# KiCad board mackerel-08-v1.kicad_pcb
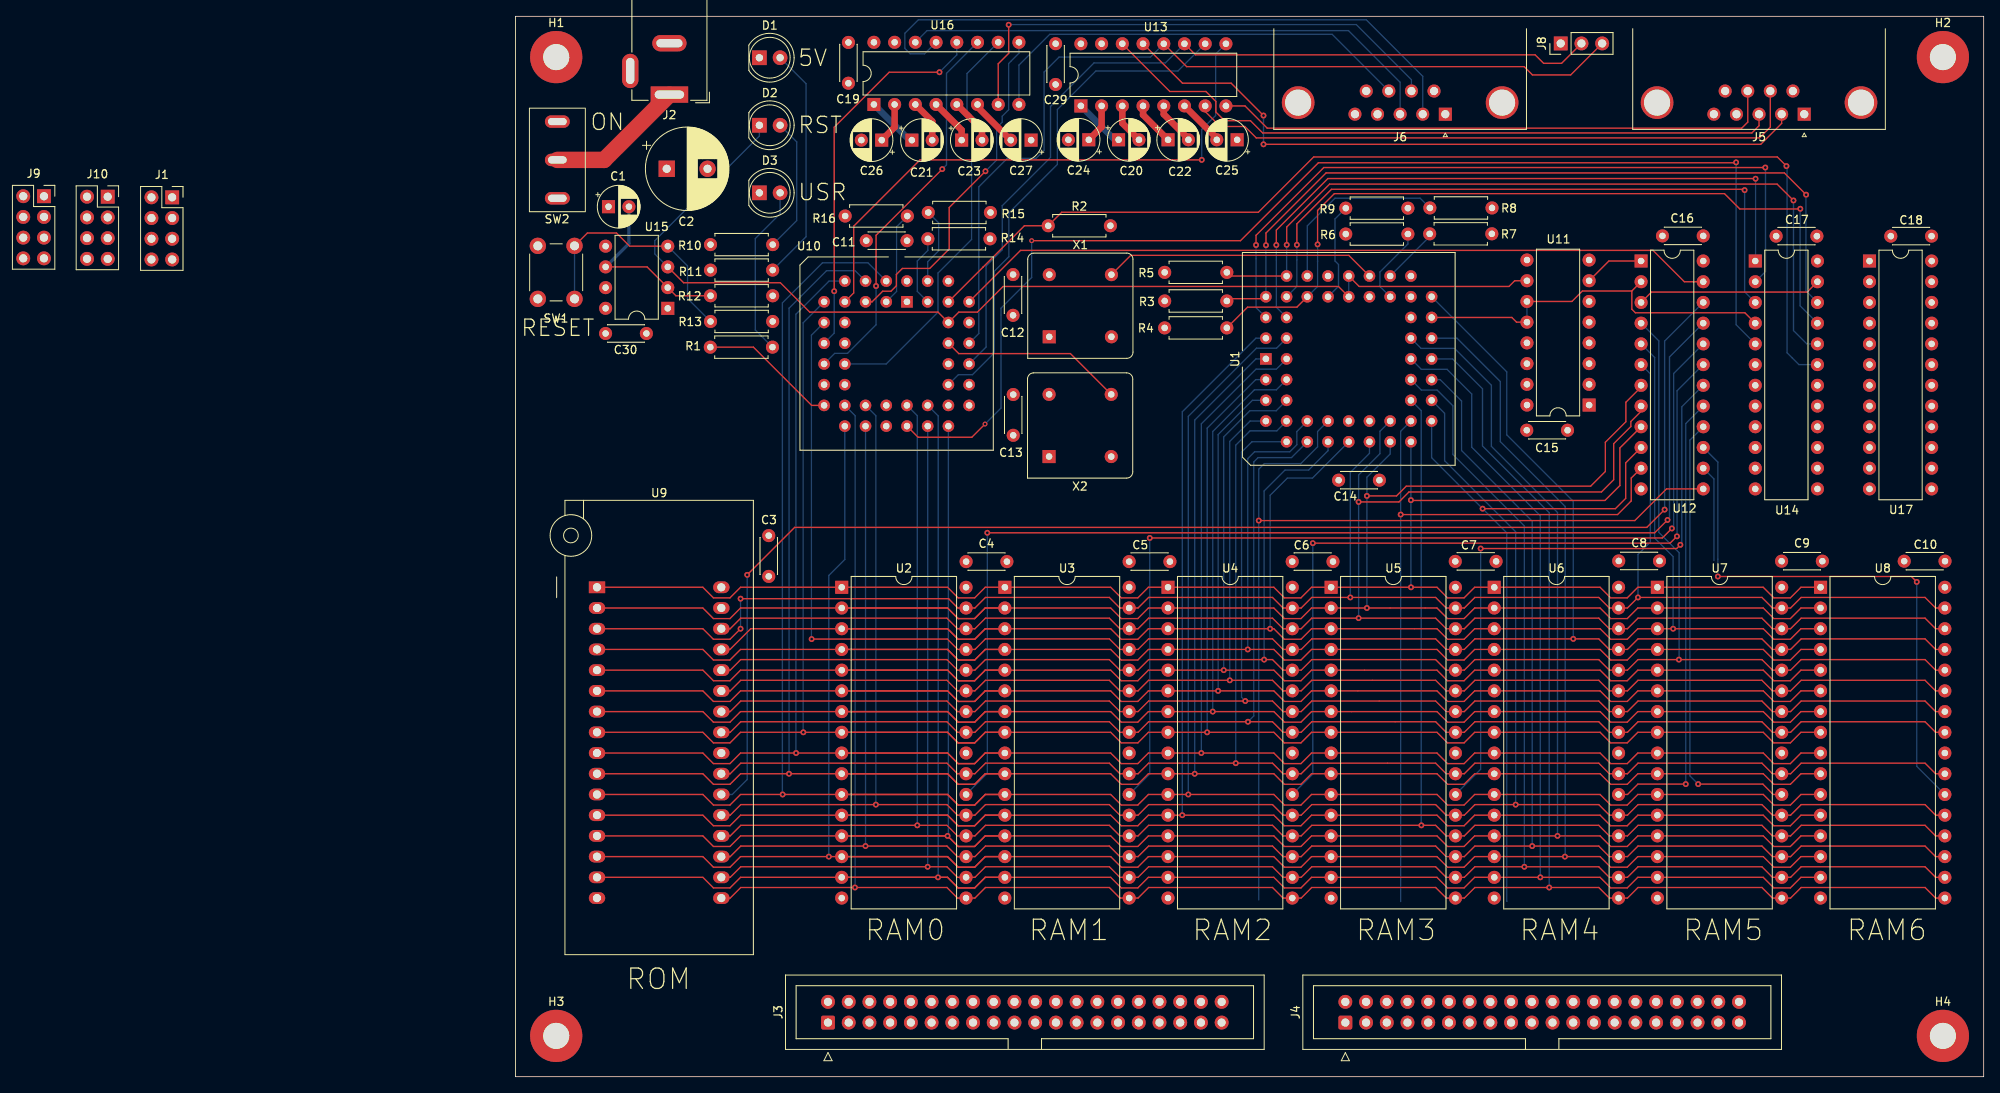
[diagram p0: board, top side]
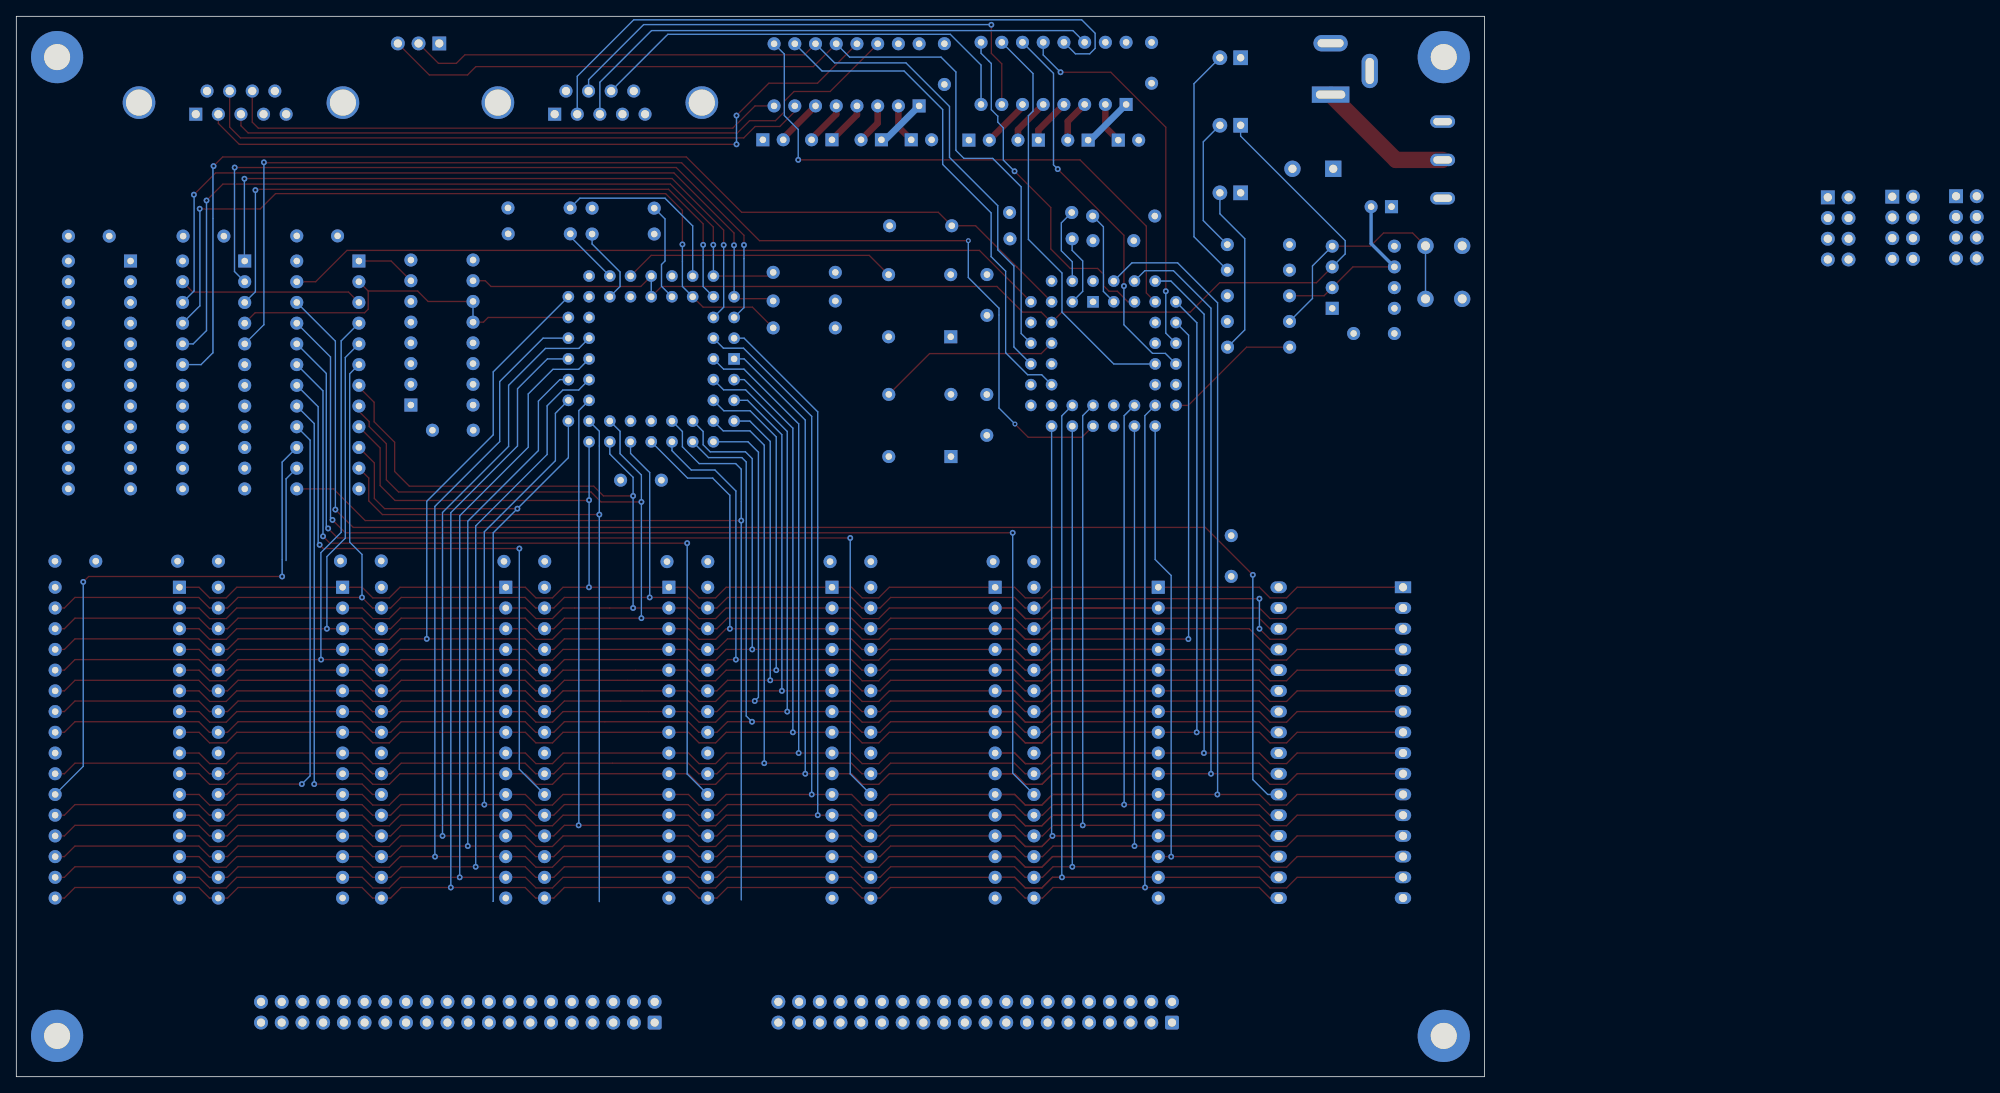
[diagram p1: board, bottom side, seen from below]

Outline 180 x 130 mm; copper layers: Top, In1.Cu, In2.Cu, Bottom. Coordinates in mm from the lower left corner of the outline.
Outline path: rectangle 0,130 180,0
Stack: Top 0.035mm / dielectric 1.51mm FR4 er 4.5 / In1.Cu 0.035mm / dielectric 1.51mm FR4 er 4.5 / In2.Cu 0.035mm / dielectric 1.51mm FR4 er 4.5 / Bottom 0.035mm

## Placement (name value [footprint] x y rotation side)
C1  C_Polarized  [CP_Radial_D5.0mm_P2.50mm]  11.41 106.66 0 top
C2  C_Polarized  [CP_Radial_D10.0mm_P5.00mm]  18.55 111.31 0 top
C3  C  [C_Disc_D4.3mm_W1.9mm_P5.00mm]  31.05 61.34 90 top
C4  C  [C_Disc_D4.3mm_W1.9mm_P5.00mm]  55.25 63.15 0 top
C5  C  [C_Disc_D4.3mm_W1.9mm_P5.00mm]  75.24 63.15 0 top
C6  C  [C_Disc_D4.3mm_W1.9mm_P5.00mm]  95.23 63.15 0 top
C7  C  [C_Disc_D4.3mm_W1.9mm_P5.00mm]  115.22 63.18 0 top
C8  C  [C_Disc_D4.3mm_W1.9mm_P5.00mm]  135.26 63.23 0 top
C9  C  [C_Disc_D4.3mm_W1.9mm_P5.00mm]  155.22 63.2 0 top
C10  C  [C_Disc_D4.3mm_W1.9mm_P5.00mm]  175.26 63.2 180 top
C11  C  [C_Disc_D4.3mm_W1.9mm_P5.00mm]  48.01 102.49 180 top
C12  C  [C_Disc_D4.3mm_W1.9mm_P5.00mm]  61 98.34 270 top
C13  C  [C_Disc_D4.3mm_W1.9mm_P5.00mm]  61.03 83.63 270 top
C14  C  [C_Disc_D4.3mm_W1.9mm_P5.00mm]  100.92 73.13 0 top
C15  C  [C_Disc_D4.3mm_W1.9mm_P5.00mm]  123.98 79.25 0 top
C16  C  [C_Disc_D4.3mm_W1.9mm_P5.00mm]  145.62 103.08 180 top
C17  C  [C_Disc_D4.3mm_W1.9mm_P5.00mm]  159.55 103.05 180 top
C18  C  [C_Disc_D4.3mm_W1.9mm_P5.00mm]  173.61 103.05 180 top
C19  C  [C_Disc_D4.3mm_W1.9mm_P5.00mm]  40.82 126.8 270 top
C20  C_Polarized_US  [CP_Radial_D5.0mm_P2.50mm]  73.94 114.86 0 top
C21  C_Polarized_US  [CP_Radial_D5.0mm_P2.50mm]  48.6 114.82 0 top
C22  C_Polarized_US  [CP_Radial_D5.0mm_P2.50mm]  80 114.86 0 top
C23  C_Polarized_US  [CP_Radial_D5.0mm_P2.50mm]  54.7 114.82 0 top
C24  C_Polarized_US  [CP_Radial_D5.0mm_P2.50mm]  70.29 114.86 180 top
C25  C_Polarized_US  [CP_Radial_D5.0mm_P2.50mm]  88.48 114.86 180 top
C26  C_Polarized_US  [CP_Radial_D5.0mm_P2.50mm]  44.9 114.82 180 top
C27  C_Polarized_US  [CP_Radial_D5.0mm_P2.50mm]  63.22 114.82 180 top
C29  C  [C_Disc_D4.3mm_W1.9mm_P5.00mm]  66.22 126.65 270 top
C30  C  [C_Disc_D4.3mm_W1.9mm_P5.00mm]  11.05 91.12 0 top
D1  LED  [LED_D5.0mm]  29.91 124.92 0 top
D2  LED  [LED_D5.0mm]  29.91 116.64 0 top
D3  LED  [LED_D5.0mm]  29.91 108.36 0 top
H1  MountingHole  [MountingHole_3.2mm_M3_Pad]  5 125 0 top
H2  MountingHole  [MountingHole_3.2mm_M3_Pad]  175 125 0 top
H3  MountingHole  [MountingHole_3.2mm_M3_Pad]  5 5 0 top
H4  MountingHole  [MountingHole_3.2mm_M3_Pad]  175 5 0 top
J1  Conn_02x04_Counter_Clockwise  [PinSocket_2x04_P2.54mm_Vertical]  -42.08 107.81 0 top
J2  DC_Jack  [BarrelJack_GCT_DCJ200-10-A_Horizontal]  18.88 120.4 180 top
J3  Conn_02x20_Counter_Clockwise  [IDC-Header_2x20_P2.54mm_Vertical]  38.32 6.63 90 top
J4  Conn_02x20_Counter_Clockwise  [IDC-Header_2x20_P2.54mm_Vertical]  101.74 6.63 90 top
J5  DB9_Male_MountingHoles  [DSUB-9_Male_Horizontal_P2.77x2.84mm_EdgePinOffset7.70mm_Housed_MountingHolesOffset9.12mm]  158 118 180 top
J6  DB9_Male_MountingHoles  [DSUB-9_Male_Horizontal_P2.77x2.84mm_EdgePinOffset7.70mm_Housed_MountingHolesOffset9.12mm]  114 118 180 top
J8  Conn_01x03  [PinHeader_1x03_P2.54mm_Vertical]  128.15 126.68 90 top
J9  Conn_02x04_Counter_Clockwise  [PinSocket_2x04_P2.54mm_Vertical]  -57.8 107.95 0 top
J10  Conn_02x04_Counter_Clockwise  [PinSocket_2x04_P2.54mm_Vertical]  -49.98 107.88 0 top
R1  R  [R_Axial_DIN0207_L6.3mm_D2.5mm_P7.62mm_Horizontal]  23.89 89.44 0 top
R2  R  [R_Axial_DIN0207_L6.3mm_D2.5mm_P7.62mm_Horizontal]  65.32 104.32 0 top
R3  R  [R_Axial_DIN0207_L6.3mm_D2.5mm_P7.62mm_Horizontal]  79.59 95.1 0 top
R4  R  [R_Axial_DIN0207_L6.3mm_D2.5mm_P7.62mm_Horizontal]  79.59 91.8 0 top
R5  R  [R_Axial_DIN0207_L6.3mm_D2.5mm_P7.62mm_Horizontal]  79.59 98.61 0 top
R6  R  [R_Axial_DIN0207_L6.3mm_D2.5mm_P7.62mm_Horizontal]  109.41 103.31 180 top
R7  R  [R_Axial_DIN0207_L6.3mm_D2.5mm_P7.62mm_Horizontal]  112.08 103.33 0 top
R8  R  [R_Axial_DIN0207_L6.3mm_D2.5mm_P7.62mm_Horizontal]  112.11 106.51 0 top
R9  R  [R_Axial_DIN0207_L6.3mm_D2.5mm_P7.62mm_Horizontal]  101.79 106.48 0 top
R10  R  [R_Axial_DIN0207_L6.3mm_D2.5mm_P7.62mm_Horizontal]  23.92 102.01 0 top
R11  R  [R_Axial_DIN0207_L6.3mm_D2.5mm_P7.62mm_Horizontal]  23.92 98.89 0 top
R12  R  [R_Axial_DIN0207_L6.3mm_D2.5mm_P7.62mm_Horizontal]  23.92 95.74 0 top
R13  R  [R_Axial_DIN0207_L6.3mm_D2.5mm_P7.62mm_Horizontal]  31.54 92.59 180 top
R14  R  [R_Axial_DIN0207_L6.3mm_D2.5mm_P7.62mm_Horizontal]  50.56 102.72 0 top
R15  R  [R_Axial_DIN0207_L6.3mm_D2.5mm_P7.62mm_Horizontal]  50.61 105.95 0 top
R16  R  [R_Axial_DIN0207_L6.3mm_D2.5mm_P7.62mm_Horizontal]  48.05 105.52 180 top
SW1  SW_Push  [SW_PUSH_6mm_H5mm]  2.74 95.36 90 top
SW2  SW_SPDT  [SW_Mini_Toggle]  1.71 106.04 90 top
U1  MC68008  [PLCC-52_THT-Socket]  92 88 90 top
U2  AS6C4008-55PCN  [DIP-32_W15.24mm]  40 60 0 top
U3  AS6C4008-55PCN  [DIP-32_W15.24mm]  60 60 0 top
U4  AS6C4008-55PCN  [DIP-32_W15.24mm]  80 60 0 top
U5  AS6C4008-55PCN  [DIP-32_W15.24mm]  100 60 0 top
U6  AS6C4008-55PCN  [DIP-32_W15.24mm]  120 60 0 top
U7  AS6C4008-55PCN  [DIP-32_W15.24mm]  140 60 0 top
U8  AS6C4008-55PCN  [DIP-32_W15.24mm]  160 60 0 top
U9  SST39SF040  [DIP_Socket-32_W11.9_W12.7_W15.24_W17.78_W18.5_3M_232-1285-00-0602J]  10 60 0 top
U10  XR68C681  [PLCC-44_THT-Socket]  48 95 0 top
U11  74HC595  [DIP-16_W7.62mm]  131.63 82.34 180 top
U12  ATF22V10C  [DIP-24_W7.62mm]  138 100 0 top
U13  MAX3232  [DIP-16_W7.62mm]  69.32 119.01 90 top
U14  ATF22V10C  [DIP-24_W7.62mm]  152 100 0 top
U15  NE555P  [DIP-8_W7.62mm]  18.67 94.2 180 top
U16  MAX3232  [DIP-16_W7.62mm]  43.95 119.19 90 top
U17  ATF22V10C  [DIP-24_W7.62mm]  166 100 0 top
X1  CXO_DIP8  [Oscillator_DIP-8]  65.45 90.71 0 top
X2  CXO_DIP8  [Oscillator_DIP-8]  65.42 76.03 0 top

## Library data of the parts
C1 C2 C20-C27 = -: ki_fp_filters: CP_*
C3-C19 C29 C30 = -: ki_fp_filters: C_*
D1-D3 = -: ki_fp_filters: LED* LED_SMD:* LED_THT:*
H1-H4 = -: ki_fp_filters: MountingHole*
J1 J3 J4 J9 J10 = -: ki_fp_filters: Connector*:*_2x??_*
J5 J6 = -: ki_fp_filters: DSUB*Male*
J8 = -: ki_fp_filters: Connector*:*_1x??_*
R1-R16 = -: ki_fp_filters: R_*
U2-U8 = -: Datasheet: https://www.alliancememory.com/wp-content/uploads/pdf/AS6C4008.pdf; ki_fp_filters: DIP*W15.24mm*
U11 = -: Datasheet: http://www.ti.com/lit/ds/symlink/sn74hc595.pdf; ki_fp_filters: DIP*W7.62mm* SOIC*3.9x9.9mm*P1.27mm* TSSOP*4.4x5mm*P0.65mm* SOIC*5.3x10.2mm*P1.27mm* SOIC*7.5x10.3mm*P1.27mm*
U13 U16 = -: Datasheet: https://datasheets.maximintegrated.com/en/ds/MAX3222-MAX3241.pdf; ki_fp_filters: SOIC*P1.27mm* DIP*W7.62mm* TSSOP*4.4x5mm*P0.65mm*
U15 = -: Datasheet: http://www.ti.com/lit/ds/symlink/ne555.pdf; ki_fp_filters: DIP*W7.62mm*
X1 X2 = -: Datasheet: http://cdn-reichelt.de/documents/datenblatt/B400/OSZI.pdf; ki_fp_filters: Oscillator*DIP*8*

## Footprints (pads in the part's own frame, mm; a bottom-side part is the same pattern mirrored in y, then rotated)
BarrelJack_GCT_DCJ200-10-A_Horizontal
  rect 4.6x2 hole 3.6x1: 1(0,0)
  oval 4.2x2 hole 3.2x1: 2(0,-6.3)
  oval 2x4.2 hole 1x3.2: 3(4.8,-2.9)
C_Disc_D4.3mm_W1.9mm_P5.00mm
  round 1.6 hole 0.8: 1(0,0) 2(5,0)
CP_Radial_D5.0mm_P2.50mm
  rect 1.6x1.6 hole 0.8: 1(0,0)
  round 1.6 hole 0.8: 2(2.5,0)
CP_Radial_D10.0mm_P5.00mm
  rect 2x2 hole 1: 1(0,0)
  round 2 hole 1: 2(5,0)
DIP-8_W7.62mm
  rect 1.6x1.6 hole 0.8: 1(0,0)
  oval 1.6x1.6 hole 0.8: 2(0,-2.54) 3(0,-5.08) 4(0,-7.62) 5(7.62,-7.62) 6(7.62,-5.08) 7(7.62,-2.54) 8(7.62,0)
DIP-16_W7.62mm
  rect 1.6x1.6 hole 0.8: 1(0,0)
  oval 1.6x1.6 hole 0.8: 2(0,-2.54) 3(0,-5.08) 4(0,-7.62) 5(0,-10.16) 6(0,-12.7) 7(0,-15.24) 8(0,-17.78) 9(7.62,-17.78) 10(7.62,-15.24) 11(7.62,-12.7) 12(7.62,-10.16) 13(7.62,-7.62) 14(7.62,-5.08) 15(7.62,-2.54) 16(7.62,0)
DIP-24_W7.62mm
  rect 1.6x1.6 hole 0.8: 1(0,0)
  oval 1.6x1.6 hole 0.8: 2(0,-2.54) 3(0,-5.08) 4(0,-7.62) 5(0,-10.16) 6(0,-12.7) 7(0,-15.24) 8(0,-17.78) 9(0,-20.32) 10(0,-22.86) 11(0,-25.4) 12(0,-27.94) 13(7.62,-27.94) 14(7.62,-25.4) 15(7.62,-22.86) 16(7.62,-20.32) 17(7.62,-17.78) 18(7.62,-15.24) 19(7.62,-12.7) 20(7.62,-10.16) 21(7.62,-7.62) 22(7.62,-5.08) 23(7.62,-2.54) 24(7.62,0)
DIP-32_W15.24mm
  rect 1.6x1.6 hole 0.8: 1(0,0)
  oval 1.6x1.6 hole 0.8: 2(0,-2.54) 3(0,-5.08) 4(0,-7.62) 5(0,-10.16) 6(0,-12.7) 7(0,-15.24) 8(0,-17.78) 9(0,-20.32) 10(0,-22.86) 11(0,-25.4) 12(0,-27.94) 13(0,-30.48) 14(0,-33.02) 15(0,-35.56) 16(0,-38.1) 17(15.24,-38.1) 18(15.24,-35.56) 19(15.24,-33.02) 20(15.24,-30.48) 21(15.24,-27.94) 22(15.24,-25.4) 23(15.24,-22.86) 24(15.24,-20.32) 25(15.24,-17.78) 26(15.24,-15.24) 27(15.24,-12.7) 28(15.24,-10.16) 29(15.24,-7.62) 30(15.24,-5.08) 31(15.24,-2.54) 32(15.24,0)
DIP_Socket-32_W11.9_W12.7_W15.24_W17.78_W18.5_3M_232-1285-00-0602J
  rect 2x1.44 hole 1: 1(0,0)
  oval 2x1.44 hole 1: 2(0,-2.54) 3(0,-5.08) 4(0,-7.62) 5(0,-10.16) 6(0,-12.7) 7(0,-15.24) 8(0,-17.78) 9(0,-20.32) 10(0,-22.86) 11(0,-25.4) 12(0,-27.94) 13(0,-30.48) 14(0,-33.02) 15(0,-35.56) 16(0,-38.1) 17(15.24,-38.1) 18(15.24,-35.56) 19(15.24,-33.02) 20(15.24,-30.48) 21(15.24,-27.94) 22(15.24,-25.4) 23(15.24,-22.86) 24(15.24,-20.32) 25(15.24,-17.78) 26(15.24,-15.24) 27(15.24,-12.7) 28(15.24,-10.16) 29(15.24,-7.62) 30(15.24,-5.08) 31(15.24,-2.54) 32(15.24,0)
DSUB-9_Male_Horizontal_P2.77x2.84mm_EdgePinOffset7.70mm_Housed_MountingHolesOffset9.12mm
  round 4 hole 3.2: 0(-6.96,-1.42) 0(18.04,-1.42)
  rect 1.6x1.6 hole 1: 1(0,0)
  round 1.6 hole 1: 2(2.77,0) 3(5.54,0) 4(8.31,0) 5(11.08,0) 6(1.385,-2.84) 7(4.155,-2.84) 8(6.925,-2.84) 9(9.695,-2.84)
IDC-Header_2x20_P2.54mm_Vertical
  rrect 1.7x1.7 hole 1: 1(0,0)
  round 1.7 hole 1: 2(2.54,0) 3(0,-2.54) 4(2.54,-2.54) 5(0,-5.08) 6(2.54,-5.08) 7(0,-7.62) 8(2.54,-7.62) 9(0,-10.16) 10(2.54,-10.16) 11(0,-12.7) 12(2.54,-12.7) 13(0,-15.24) 14(2.54,-15.24) 15(0,-17.78) 16(2.54,-17.78) 17(0,-20.32) 18(2.54,-20.32) 19(0,-22.86) 20(2.54,-22.86) 21(0,-25.4) 22(2.54,-25.4) 23(0,-27.94) 24(2.54,-27.94) 25(0,-30.48) 26(2.54,-30.48) 27(0,-33.02) 28(2.54,-33.02) 29(0,-35.56) 30(2.54,-35.56) 31(0,-38.1) 32(2.54,-38.1) 33(0,-40.64) 34(2.54,-40.64) 35(0,-43.18) 36(2.54,-43.18) 37(0,-45.72) 38(2.54,-45.72) 39(0,-48.26) 40(2.54,-48.26)
LED_D5.0mm
  rect 1.8x1.8 hole 0.9: 1(0,0)
  round 1.8 hole 0.9: 2(2.54,0)
MountingHole_3.2mm_M3_Pad
  round 6.4 hole 3.2: 1(0,0)
Oscillator_DIP-8
  rect 1.6x1.6 hole 0.8: 1(0,0)
  round 1.6 hole 0.8: 4(7.62,0) 5(7.62,7.62) 8(0,7.62)
PinHeader_1x03_P2.54mm_Vertical
  rect 1.7x1.7 hole 1: 1(0,0)
  oval 1.7x1.7 hole 1: 2(0,-2.54) 3(0,-5.08)
PinSocket_2x04_P2.54mm_Vertical
  rect 1.7x1.7 hole 1: 1(0,0)
  oval 1.7x1.7 hole 1: 2(-2.54,0) 3(0,-2.54) 4(-2.54,-2.54) 5(0,-5.08) 6(-2.54,-5.08) 7(0,-7.62) 8(-2.54,-7.62)
PLCC-44_THT-Socket
  rect 1.422x1.422 hole 0.8: 1(0,0)
  round 1.422 hole 0.8: 2(-2.54,2.54) 3(-2.54,0) 4(-5.08,2.54) 5(-5.08,0) 6(-7.62,2.54) 7(-10.16,0) 8(-7.62,0) 9(-10.16,-2.54) 10(-7.62,-2.54) 11(-10.16,-5.08) 12(-7.62,-5.08) 13(-10.16,-7.62) 14(-7.62,-7.62) 15(-10.16,-10.16) 16(-7.62,-10.16) 17(-10.16,-12.7) 18(-7.62,-15.24) 19(-7.62,-12.7) 20(-5.08,-15.24) 21(-5.08,-12.7) 22(-2.54,-15.24) 23(-2.54,-12.7) 24(0,-15.24) 25(0,-12.7) 26(2.54,-15.24) 27(2.54,-12.7) 28(5.08,-15.24) 29(7.62,-12.7) 30(5.08,-12.7) 31(7.62,-10.16) 32(5.08,-10.16) 33(7.62,-7.62) 34(5.08,-7.62) 35(7.62,-5.08) 36(5.08,-5.08) 37(7.62,-2.54) 38(5.08,-2.54) 39(7.62,0) 40(5.08,2.54) 41(5.08,0) 42(2.54,2.54) 43(2.54,0) 44(0,2.54)
PLCC-52_THT-Socket
  rect 1.422x1.422 hole 0.8: 1(0,0)
  round 1.422 hole 0.8: 2(0,-2.54) 3(-2.54,0) 4(-2.54,-2.54) 5(-5.08,0) 6(-5.08,-2.54) 7(-7.62,0) 8(-10.16,-2.54) 9(-7.62,-2.54) 10(-10.16,-5.08) 11(-7.62,-5.08) 12(-10.16,-7.62) 13(-7.62,-7.62) 14(-10.16,-10.16) 15(-7.62,-10.16) 16(-10.16,-12.7) 17(-7.62,-12.7) 18(-10.16,-15.24) 19(-7.62,-15.24) 20(-10.16,-17.78) 21(-7.62,-20.32) 22(-7.62,-17.78) 23(-5.08,-20.32) 24(-5.08,-17.78) 25(-2.54,-20.32) 26(-2.54,-17.78) 27(0,-20.32) 28(0,-17.78) 29(2.54,-20.32) 30(2.54,-17.78) 31(5.08,-20.32) 32(5.08,-17.78) 33(7.62,-20.32) 34(10.16,-17.78) 35(7.62,-17.78) 36(10.16,-15.24) 37(7.62,-15.24) 38(10.16,-12.7) 39(7.62,-12.7) 40(10.16,-10.16) 41(7.62,-10.16) 42(10.16,-7.62) 43(7.62,-7.62) 44(10.16,-5.08) 45(7.62,-5.08) 46(10.16,-2.54) 47(7.62,0) 48(7.62,-2.54) 49(5.08,0) 50(5.08,-2.54) 51(2.54,0) 52(2.54,-2.54)
R_Axial_DIN0207_L6.3mm_D2.5mm_P7.62mm_Horizontal
  round 1.6 hole 0.8: 1(0,0)
  oval 1.6x1.6 hole 0.8: 2(7.62,0)
SW_Mini_Toggle
  oval 1.524x3.048 hole 0.889x2.286: 1(1.651,-3.429) 2(6.35,-3.429) 3(11.049,-3.429)
SW_PUSH_6mm_H5mm
  round 2 hole 1.1: 1(0,0) 1(6.5,0) 2(0,-4.5) 2(6.5,-4.5)

## Nets
+5V: C1.1 C2.1 C3.1 C4.1 C5.1 C6.1 C7.1 C8.1 C9.1 C10.1 C11.1 C12.1 C13.1 C14.1 C15.1 C16.1 C17.1 C18.1 C19.1 C29.1 C30.1 R2.2 R3.1 R4.1 R5.1 R6.2 R7.2 R8.2 R9.2 R10.1 R11.1 R13.1 R14.2 R15.2 R16.2 SW2.1 U1.15 U2.32 U3.32 U4.32 U5.32 U6.32 U7.32 U8.32 U9.31 U9.32 U10.44 U11.14 U11.16 U12.24 U13.16 U14.24 U15.8 U16.16 U17.24 X1.8 X2.8
GND: C2.2 C3.2 C4.2 C5.2 C6.2 C7.2 C8.2 C9.2 C10.2 C11.2 C12.2 C13.2 C14.2 C15.2 C16.2 C17.2 C18.2 C19.2 C24.2 C25.1 C26.2 C27.1 C29.2 C30.2 D1.1 D3.1 J2.2 J5.0 J5.5 J6.0 J6.5 J8.1 R12.2 SW1.1 U1.17 U1.39 U2.16 U2.24 U3.16 U3.24 U4.16 U4.24 U5.16 U5.24 U6.16 U6.24 U7.16 U7.24 U8.16 U8.24 U9.16 U9.24 U10.22 U11.8 U11.13 U12.12 U13.15 U14.12 U15.1 U16.15 U17.12 X1.4 X2.4
/AS: U1.31 U11.11 U11.12 U12.2 U14.4
/CTSA: U10.8 U13.9
/CTSB: U10.5 U16.9
/DS: U1.32
/DTACK0: U17.2
/DTACK1: U17.3
/DTACK2: U17.4
/DTACK_CPU: U1.34 U17.23
/DUART: U10.39 U12.23
/IACK: U12.3 U14.23
/IACK2: U14.18
/IACK3: U14.17
/IACK4: U14.16
/IACK5: U14.15
/IACK_DUART: R2.1 U10.41 U14.19
/INT_DUART: U10.24 U14.5
/IO: U12.14
/IPL0: R3.2 U1.47 U14.22
/IPL1: R4.2 U1.45 U14.21
/IPL2: R5.2 U1.46 U14.20
/IRQ2: U14.6
/IRQ3: U14.7
/IRQ4: U14.8
/IRQ5: U14.9
/RAM0: U2.22 U12.21
/RAM1: U3.22 U12.20
/RAM2: U4.22 U12.19
/RAM3: U5.22 U12.18
/RAM4: U6.22 U12.17
/RAM5: U7.22 U12.16
/RAM6: U8.22 U12.15
/RESET: D2.1 U1.40 U1.41 U10.38 U11.10 U15.3
/ROM: U9.22 U12.22
/RTSA: U10.32 U13.10
/RTSB: U10.14 U16.10
/RW: U1.33 U2.29 U3.29 U4.29 U5.29 U6.29 U7.29 U8.29 U10.9
A0: U1.51 U2.12 U3.12 U4.12 U5.12 U6.12 U7.12 U8.12 U9.12
A1: U1.52 U2.11 U3.11 U4.11 U5.11 U6.11 U7.11 U8.11 U9.11 U10.2 U14.10
A2: U1.1 U2.10 U3.10 U4.10 U5.10 U6.10 U7.10 U8.10 U9.10 U10.4 U14.11
A3: U1.2 U2.9 U3.9 U4.9 U5.9 U6.9 U7.9 U8.9 U9.9 U10.6 U14.13
A4: U1.3 U2.8 U3.8 U4.8 U5.8 U6.8 U7.8 U8.8 U9.8 U10.7
A5: U1.4 U2.7 U3.7 U4.7 U5.7 U6.7 U7.7 U8.7 U9.7
A6: U1.5 U2.6 U3.6 U4.6 U5.6 U6.6 U7.6 U8.6 U9.6
A7: U1.6 U2.5 U3.5 U4.5 U5.5 U6.5 U7.5 U8.5 U9.5
A8: U1.7 U2.27 U3.27 U4.27 U5.27 U6.27 U7.27 U8.27 U9.27
A9: U1.8 U2.26 U3.26 U4.26 U5.26 U6.26 U7.26 U8.26 U9.26
A10: U1.9 U2.23 U3.23 U4.23 U5.23 U6.23 U7.23 U8.23 U9.23
A11: U1.10 U2.25 U3.25 U4.25 U5.25 U6.25 U7.25 U8.25 U9.25
A12: U1.11 U2.4 U3.4 U4.4 U5.4 U6.4 U7.4 U8.4 U9.4
A13: U1.12 U2.28 U3.28 U4.28 U5.28 U6.28 U7.28 U8.28 U9.28 U12.4
A14: U1.14 U2.3 U3.3 U4.3 U5.3 U6.3 U7.3 U8.3 U9.29 U12.5
A15: U1.16 U2.31 U3.31 U4.31 U5.31 U6.31 U7.31 U8.31 U9.3 U12.6
A16: U1.18 U2.2 U3.2 U4.2 U5.2 U6.2 U7.2 U8.2 U9.2 U12.7
A17: U1.19 U2.30 U3.30 U4.30 U5.30 U6.30 U7.30 U8.30 U9.30 U12.8
A18: U1.20 U2.1 U3.1 U4.1 U5.1 U6.1 U7.1 U8.1 U9.1 U12.9
A19: U1.21 U12.10
A20: U1.22 U12.11
A21: U1.13 U12.13
BOOT: U11.7 U12.1
CLK_CPU: U1.38 X1.5
D0: U1.30 U2.13 U3.13 U4.13 U5.13 U6.13 U7.13 U8.13 U9.13 U10.28
D1: U1.29 U2.14 U3.14 U4.14 U5.14 U6.14 U7.14 U8.14 U9.14 U10.18
D2: U1.28 U2.15 U3.15 U4.15 U5.15 U6.15 U7.15 U8.15 U9.15 U10.27
D3: U1.27 U2.17 U3.17 U4.17 U5.17 U6.17 U7.17 U8.17 U9.17 U10.19
D4: U1.26 U2.18 U3.18 U4.18 U5.18 U6.18 U7.18 U8.18 U9.18 U10.26
D5: U1.25 U2.19 U3.19 U4.19 U5.19 U6.19 U7.19 U8.19 U9.19 U10.20
D6: U1.24 U2.20 U3.20 U4.20 U5.20 U6.20 U7.20 U8.20 U9.20 U10.25
D7: U1.23 U2.21 U3.21 U4.21 U5.21 U6.21 U7.21 U8.21 U9.21 U10.21
FC0: U1.50 U14.1
FC1: U1.49 U14.2
FC2: U1.48 U14.3
RXA: J8.3 U10.35 U13.12
RXB: U10.11 U16.12
SPI_CLK: U10.15
SPI_CS0: U10.30
SPI_CS1: U10.16
SPI_CS2: U10.29
SPI_DI: U10.31
SPI_DO: U10.40
TXA: J8.2 U10.33 U13.11
TXB: U10.13 U16.11
Net-(D1-A): D1.2 R11.2
Net-(D2-A): D2.2 R10.2
Net-(D3-A): D3.2 R1.2
Net-(J2-VCC): J2.1 SW2.2
Net-(U1-/BERR): R8.1 U1.44
Net-(U1-/BGACK): R7.1 U1.36
Net-(U1-/BR): R6.1 U1.37
Net-(U1-/VPA): R9.1 U1.43
Net-(U10-IP3): R16.1 U10.3
Net-(U10-IP4): R14.1 U10.43
Net-(U10-IP5): R15.1 U10.42
Net-(U10-OP7): R1.1 U10.17
Net-(U10-X1/CLK): U10.36 X2.5
Net-(U13-C1+): C20.1 U13.1
Net-(U13-C1-): C20.2 U13.3
Net-(U13-C2+): C22.1 U13.4
Net-(U13-C2-): C22.2 U13.5
Net-(U13-R1IN): U13.13
Net-(U13-R2IN): U13.8
Net-(U13-T1OUT): U13.14
Net-(U13-T2OUT): U13.7
Net-(U13-VS+): C24.1 U13.2
Net-(U13-VS-): C25.2 U13.6
Net-(U15-R): R13.2 SW1.2 U15.4
Net-(U15-THR): C1.2 R12.1 U15.2 U15.6
Net-(U16-C1+): C21.1 U16.1
Net-(U16-C1-): C21.2 U16.3
Net-(U16-C2+): C23.1 U16.4
Net-(U16-C2-): C23.2 U16.5
Net-(U16-R1IN): U16.13
Net-(U16-R2IN): U16.8
Net-(U16-T1OUT): U16.14
Net-(U16-T2OUT): U16.7
Net-(U16-VS+): C26.1 U16.2
Net-(U16-VS-): C27.2 U16.6

Pads without a net: H1 1; H2 1; H3 1; H4 1; J1 1 2 3 4 5 6 7 8; J2 3; J3 1 2 3 4 5 6 7 8 9 10 11 12 13 14 15 16 17 18 19 20 21 22 23 24 25 26 27 28 29 30 31 32 33 34 35 36 37 38 39 40; J4 1 2 3 4 5 6 7 8 9 10 11 12 13 14 15 16 17 18 19 20 21 22 23 24 25 26 27 28 29 30 31 32 33 34 35 36 37 38 39 40; J5 1 2 3 4 6 7 8 9; J6 1 2 3 4 6 7 8 9; J9 1 2 3 4 5 6 7 8; J10 1 2 3 4 5 6 7 8; SW2 3; U1 35 42; U10 1 10 12 23 34 37; U11 1 2 3 4 5 6 9 15; U14 14; U15 5 7; U17 1 5 6 7 8 9 10 11 13 14 15 16 17 18 19 20 21 22; X1 1; X2 1

## Via types
v1: diameter 0.72, hole 0.35, Top to Bottom, 89 vias
v2: diameter 0.6, hole 0.32, Top to Bottom, 2 vias
